# Allegro board LED_FIN.brd (continued)
## Routing (per net, layer and track width the routed paths; a pad name or vN(x,y) marks a point on that pad's centre or on a via; arc(x,y) is an arc through that point) (continued)
COL_OUT_A64: length 259.4
  TOP w0.15: D1676.1 v1(149.25,358.8) ; D2096.1 v1(149.25,330.8) ; D1436.1 v1(149.25,374.8) ; D1226.1 v1(149.25,388.8) ; D1196.1 v1(149.25,390.8) ; D1316.1 v1(149.25,382.8) ; D1166.1 v1(149.25,392.8) ; D1526.1 v1(149.25,368.8) ; D2186.1 v1(149.25,324.8) ; D1616.1 v1(149.25,362.8) ; D1346.1 v1(149.25,380.8) ; D1556.1 v1(149.25,366.8) ; D2156.1 v1(149.25,326.8) ; D1496.1 v1(149.25,370.8) ; D1256.1 v1(149.25,386.8) ; D1406.1 v1(149.25,376.8) ; D1706.1 v1(149.25,356.8) ; D1916.1 v1(149.25,342.8) ; D2066.1 v1(149.25,332.8) ; D1946.1 v1(149.25,340.8) ; D1286.1 v1(149.25,384.8) ; D2276.1 v1(149.25,318.8) ; D2036.1 v1(149.25,334.8) ; D1856.1 v1(149.25,346.8) ; D2246.1 v1(149.25,320.8) ; D1976.1 v1(149.25,338.8) ; D1766.1 v1(149.25,352.8) ; D1466.1 v1(149.25,372.8) ; D1886.1 v1(149.25,344.8) ; D1796.1 v1(149.25,350.8) ; D2126.1 v1(149.25,328.8) ; D1826.1 v1(149.25,348.8) ; v1(147.95,161.1) R56.1 ; D1586.1 v1(149.25,364.8) ; D1736.1 v1(149.25,354.8) ; D2006.1 v1(149.25,336.8) ; D1646.1 v1(149.25,360.8) ; D2216.1 v1(149.25,322.8) ; D1376.1 v1(149.25,378.8)
  BOTTOM w0.15: v1(149.25,392.8) v1(149.25,390.8) v1(149.25,388.8) v1(149.25,386.8) v1(149.25,384.8) v1(149.25,382.8) v1(149.25,380.8) v1(149.25,378.8) v1(149.25,376.8) v1(149.25,374.8) v1(149.25,372.8) v1(149.25,370.8) v1(149.25,368.8) v1(149.25,366.8) v1(149.25,364.8) v1(149.25,362.8) v1(149.25,360.8) v1(149.25,358.8) v1(149.25,356.8) v1(149.25,354.8) v1(149.25,352.8) v1(149.25,350.8) v1(149.25,348.8) v1(149.25,346.8) v1(149.25,344.8) v1(149.25,342.8) v1(149.25,340.8) v1(149.25,338.8) v1(149.25,336.8) v1(149.25,334.8) v1(149.25,332.8) v1(149.25,330.8) v1(149.25,328.8) v1(149.25,326.8) v1(149.25,324.8) v1(149.25,322.8) v1(149.25,320.8) v1(149.25,318.8) 147.95,317.5 v1(147.95,161.1)
COL_OUT_A65: length 259.4
  TOP w0.15: D2215.1 v1(147.25,322.8) ; D1165.1 v1(147.25,392.8) ; D2095.1 v1(147.25,330.8) ; D1855.1 v1(147.25,346.8) ; D2275.1 v1(147.25,318.8) ; D1975.1 v1(147.25,338.8) ; D1915.1 v1(147.25,342.8) ; D1945.1 v1(147.25,340.8) ; D1585.1 v1(147.25,364.8) ; D1735.1 v1(147.25,354.8) ; D2245.1 v1(147.25,320.8) ; D1765.1 v1(147.25,352.8) ; D1315.1 v1(147.25,382.8) ; D1645.1 v1(147.25,360.8) ; D1435.1 v1(147.25,374.8) ; D1825.1 v1(147.25,348.8) ; D1885.1 v1(147.25,344.8) ; D2125.1 v1(147.25,328.8) ; D1375.1 v1(147.25,378.8) ; D1705.1 v1(147.25,356.8) ; D1285.1 v1(147.25,384.8) ; D1555.1 v1(147.25,366.8) ; D1795.1 v1(147.25,350.8) ; D1525.1 v1(147.25,368.8) ; D1405.1 v1(147.25,376.8) ; D2185.1 v1(147.25,324.8) ; D2005.1 v1(147.25,336.8) ; D1345.1 v1(147.25,380.8) ; D1255.1 v1(147.25,386.8) ; D1465.1 v1(147.25,372.8) ; D1225.1 v1(147.25,388.8) ; D1195.1 v1(147.25,390.8) ; D1675.1 v1(147.25,358.8) ; D2065.1 v1(147.25,332.8) ; D2155.1 v1(147.25,326.8) ; D1615.1 v1(147.25,362.8) ; v1(145.95,161.1) R55.1 ; D2035.1 v1(147.25,334.8) ; D1495.1 v1(147.25,370.8)
  BOTTOM w0.15: v1(145.95,161.1) 145.95,317.5 v1(147.25,318.8) v1(147.25,320.8) v1(147.25,322.8) v1(147.25,324.8) v1(147.25,326.8) v1(147.25,328.8) v1(147.25,330.8) v1(147.25,332.8) v1(147.25,334.8) v1(147.25,336.8) v1(147.25,338.8) v1(147.25,340.8) v1(147.25,342.8) v1(147.25,344.8) v1(147.25,346.8) v1(147.25,348.8) v1(147.25,350.8) v1(147.25,352.8) v1(147.25,354.8) v1(147.25,356.8) v1(147.25,358.8) v1(147.25,360.8) v1(147.25,362.8) v1(147.25,364.8) v1(147.25,366.8) v1(147.25,368.8) v1(147.25,370.8) v1(147.25,372.8) v1(147.25,374.8) v1(147.25,376.8) v1(147.25,378.8) v1(147.25,380.8) v1(147.25,382.8) v1(147.25,384.8) v1(147.25,386.8) v1(147.25,388.8) v1(147.25,390.8) v1(147.25,392.8)
COL_OUT_A66: length 259.4
  TOP w0.15: D1554.1 v1(145.25,366.8) ; D2244.1 v1(145.25,320.8) ; D1674.1 v1(145.25,358.8) ; D1524.1 v1(145.25,368.8) ; D1374.1 v1(145.25,378.8) ; D1224.1 v1(145.25,388.8) ; D1854.1 v1(145.25,346.8) ; D1974.1 v1(145.25,338.8) ; D2004.1 v1(145.25,336.8) ; D1734.1 v1(145.25,354.8) ; D1614.1 v1(145.25,362.8) ; D1344.1 v1(145.25,380.8) ; D2154.1 v1(145.25,326.8) ; D1584.1 v1(145.25,364.8) ; D1494.1 v1(145.25,370.8) ; D2124.1 v1(145.25,328.8) ; D1794.1 v1(145.25,350.8) ; D1884.1 v1(145.25,344.8) ; D2034.1 v1(145.25,334.8) ; D1254.1 v1(145.25,386.8) ; D1764.1 v1(145.25,352.8) ; D2184.1 v1(145.25,324.8) ; D1644.1 v1(145.25,360.8) ; D2214.1 v1(145.25,322.8) ; D1314.1 v1(145.25,382.8) ; D1704.1 v1(145.25,356.8) ; D1434.1 v1(145.25,374.8) ; D1464.1 v1(145.25,372.8) ; v1(143.95,161.1) R54.1 ; D1284.1 v1(145.25,384.8) ; D1944.1 v1(145.25,340.8) ; D2094.1 v1(145.25,330.8) ; D2274.1 v1(145.25,318.8) ; D1824.1 v1(145.25,348.8) ; D1164.1 v1(145.25,392.8) ; D1194.1 v1(145.25,390.8) ; D2064.1 v1(145.25,332.8) ; D1404.1 v1(145.25,376.8) ; D1914.1 v1(145.25,342.8)
  BOTTOM w0.15: v1(143.95,161.1) 143.95,317.5 v1(145.25,318.8) v1(145.25,320.8) v1(145.25,322.8) v1(145.25,324.8) v1(145.25,326.8) v1(145.25,328.8) v1(145.25,330.8) v1(145.25,332.8) v1(145.25,334.8) v1(145.25,336.8) v1(145.25,338.8) v1(145.25,340.8) v1(145.25,342.8) v1(145.25,344.8) v1(145.25,346.8) v1(145.25,348.8) v1(145.25,350.8) v1(145.25,352.8) v1(145.25,354.8) v1(145.25,356.8) v1(145.25,358.8) v1(145.25,360.8) v1(145.25,362.8) v1(145.25,364.8) v1(145.25,366.8) v1(145.25,368.8) v1(145.25,370.8) v1(145.25,372.8) v1(145.25,374.8) v1(145.25,376.8) v1(145.25,378.8) v1(145.25,380.8) v1(145.25,382.8) v1(145.25,384.8) v1(145.25,386.8) v1(145.25,388.8) v1(145.25,390.8) v1(145.25,392.8)
COL_OUT_A67: length 259.4
  TOP w0.15: D2273.1 v1(143.25,318.8) ; D2093.1 v1(143.25,330.8) ; D1343.1 v1(143.25,380.8) ; D1883.1 v1(143.25,344.8) ; D1163.1 v1(143.25,392.8) ; D2153.1 v1(143.25,326.8) ; D1763.1 v1(143.25,352.8) ; D2033.1 v1(143.25,334.8) ; D1223.1 v1(143.25,388.8) ; D1733.1 v1(143.25,354.8) ; D1403.1 v1(143.25,376.8) ; D1793.1 v1(143.25,350.8) ; D1853.1 v1(143.25,346.8) ; D1193.1 v1(143.25,390.8) ; D1913.1 v1(143.25,342.8) ; D1373.1 v1(143.25,378.8) ; D1283.1 v1(143.25,384.8) ; D2123.1 v1(143.25,328.8) ; D1583.1 v1(143.25,364.8) ; D1253.1 v1(143.25,386.8) ; v1(141.95,161.1) R53.1 ; D2063.1 v1(143.25,332.8) ; D1433.1 v1(143.25,374.8) ; D2183.1 v1(143.25,324.8) ; D1463.1 v1(143.25,372.8) ; D2243.1 v1(143.25,320.8) ; D1823.1 v1(143.25,348.8) ; D1673.1 v1(143.25,358.8) ; D1973.1 v1(143.25,338.8) ; D1613.1 v1(143.25,362.8) ; D1553.1 v1(143.25,366.8) ; D1493.1 v1(143.25,370.8) ; D1943.1 v1(143.25,340.8) ; D1523.1 v1(143.25,368.8) ; D1643.1 v1(143.25,360.8) ; D2213.1 v1(143.25,322.8) ; D1313.1 v1(143.25,382.8) ; D2003.1 v1(143.25,336.8) ; D1703.1 v1(143.25,356.8)
  BOTTOM w0.15: v1(143.25,392.8) v1(143.25,390.8) v1(143.25,388.8) v1(143.25,386.8) v1(143.25,384.8) v1(143.25,382.8) v1(143.25,380.8) v1(143.25,378.8) v1(143.25,376.8) v1(143.25,374.8) v1(143.25,372.8) v1(143.25,370.8) v1(143.25,368.8) v1(143.25,366.8) v1(143.25,364.8) v1(143.25,362.8) v1(143.25,360.8) v1(143.25,358.8) v1(143.25,356.8) v1(143.25,354.8) v1(143.25,352.8) v1(143.25,350.8) v1(143.25,348.8) v1(143.25,346.8) v1(143.25,344.8) v1(143.25,342.8) v1(143.25,340.8) v1(143.25,338.8) v1(143.25,336.8) v1(143.25,334.8) v1(143.25,332.8) v1(143.25,330.8) v1(143.25,328.8) v1(143.25,326.8) v1(143.25,324.8) v1(143.25,322.8) v1(143.25,320.8) v1(143.25,318.8) 141.95,317.5 v1(141.95,161.1)
COL_OUT_A68: length 259.4
  TOP w0.15: D1552.1 v1(141.25,366.8) ; D1522.1 v1(141.25,368.8) ; D1372.1 v1(141.25,378.8) ; D1612.1 v1(141.25,362.8) ; D1312.1 v1(141.25,382.8) ; D1582.1 v1(141.25,364.8) ; D1342.1 v1(141.25,380.8) ; D1492.1 v1(141.25,370.8) ; D2152.1 v1(141.25,326.8) ; D1942.1 v1(141.25,340.8) ; D1432.1 v1(141.25,374.8) ; D2122.1 v1(141.25,328.8) ; D1882.1 v1(141.25,344.8) ; D2032.1 v1(141.25,334.8) ; D2272.1 v1(141.25,318.8) ; v1(139.95,161.1) R52.1 ; D2182.1 v1(141.25,324.8) ; D2092.1 v1(141.25,330.8) ; D1792.1 v1(141.25,350.8) ; D1162.1 v1(141.25,392.8) ; D1762.1 v1(141.25,352.8) ; D2002.1 v1(141.25,336.8) ; D1402.1 v1(141.25,376.8) ; D2212.1 v1(141.25,322.8) ; D1642.1 v1(141.25,360.8) ; D1192.1 v1(141.25,390.8) ; D1462.1 v1(141.25,372.8) ; D1252.1 v1(141.25,386.8) ; D2062.1 v1(141.25,332.8) ; D2242.1 v1(141.25,320.8) ; D1702.1 v1(141.25,356.8) ; D1222.1 v1(141.25,388.8) ; D1732.1 v1(141.25,354.8) ; D1282.1 v1(141.25,384.8) ; D1822.1 v1(141.25,348.8) ; D1972.1 v1(141.25,338.8) ; D1912.1 v1(141.25,342.8) ; D1672.1 v1(141.25,358.8) ; D1852.1 v1(141.25,346.8)
  BOTTOM w0.15: v1(139.95,161.1) 139.95,317.5 v1(141.25,318.8) v1(141.25,320.8) v1(141.25,322.8) v1(141.25,324.8) v1(141.25,326.8) v1(141.25,328.8) v1(141.25,330.8) v1(141.25,332.8) v1(141.25,334.8) v1(141.25,336.8) v1(141.25,338.8) v1(141.25,340.8) v1(141.25,342.8) v1(141.25,344.8) v1(141.25,346.8) v1(141.25,348.8) v1(141.25,350.8) v1(141.25,352.8) v1(141.25,354.8) v1(141.25,356.8) v1(141.25,358.8) v1(141.25,360.8) v1(141.25,362.8) v1(141.25,364.8) v1(141.25,366.8) v1(141.25,368.8) v1(141.25,370.8) v1(141.25,372.8) v1(141.25,374.8) v1(141.25,376.8) v1(141.25,378.8) v1(141.25,380.8) v1(141.25,382.8) v1(141.25,384.8) v1(141.25,386.8) v1(141.25,388.8) v1(141.25,390.8) v1(141.25,392.8)
COL_OUT_A69: length 259.4
  TOP w0.15: D1911.1 v1(139.25,342.8) ; D1461.1 v1(139.25,372.8) ; D1281.1 v1(139.25,384.8) ; v1(137.95,161.1) R51.1 ; D1371.1 v1(139.25,378.8) ; D1881.1 v1(139.25,344.8) ; D1221.1 v1(139.25,388.8) ; D2151.1 v1(139.25,326.8) ; D1761.1 v1(139.25,352.8) ; D1971.1 v1(139.25,338.8) ; D1671.1 v1(139.25,358.8) ; D2001.1 v1(139.25,336.8) ; D2211.1 v1(139.25,322.8) ; D1161.1 v1(139.25,392.8) ; D1311.1 v1(139.25,382.8) ; D2241.1 v1(139.25,320.8) ; D1851.1 v1(139.25,346.8) ; D2181.1 v1(139.25,324.8) ; D1641.1 v1(139.25,360.8) ; D1611.1 v1(139.25,362.8) ; D1551.1 v1(139.25,366.8) ; D1431.1 v1(139.25,374.8) ; D1701.1 v1(139.25,356.8) ; D1731.1 v1(139.25,354.8) ; D1941.1 v1(139.25,340.8) ; D2061.1 v1(139.25,332.8) ; D1191.1 v1(139.25,390.8) ; D2091.1 v1(139.25,330.8) ; D1521.1 v1(139.25,368.8) ; D2271.1 v1(139.25,318.8) ; D1581.1 v1(139.25,364.8) ; D1401.1 v1(139.25,376.8) ; D1491.1 v1(139.25,370.8) ; D1251.1 v1(139.25,386.8) ; D1791.1 v1(139.25,350.8) ; D1821.1 v1(139.25,348.8) ; D2121.1 v1(139.25,328.8) ; D1341.1 v1(139.25,380.8) ; D2031.1 v1(139.25,334.8)
  BOTTOM w0.15: v1(137.95,161.1) 137.95,317.5 v1(139.25,318.8) v1(139.25,320.8) v1(139.25,322.8) v1(139.25,324.8) v1(139.25,326.8) v1(139.25,328.8) v1(139.25,330.8) v1(139.25,332.8) v1(139.25,334.8) v1(139.25,336.8) v1(139.25,338.8) v1(139.25,340.8) v1(139.25,342.8) v1(139.25,344.8) v1(139.25,346.8) v1(139.25,348.8) v1(139.25,350.8) v1(139.25,352.8) v1(139.25,354.8) v1(139.25,356.8) v1(139.25,358.8) v1(139.25,360.8) v1(139.25,362.8) v1(139.25,364.8) v1(139.25,366.8) v1(139.25,368.8) v1(139.25,370.8) v1(139.25,372.8) v1(139.25,374.8) v1(139.25,376.8) v1(139.25,378.8) v1(139.25,380.8) v1(139.25,382.8) v1(139.25,384.8) v1(139.25,386.8) v1(139.25,388.8) v1(139.25,390.8) v1(139.25,392.8)
COL_OUT_A70: length 259.4
  TOP w0.15: D2000.1 v1(137.25,336.8) ; D2090.1 v1(137.25,330.8) ; D2120.1 v1(137.25,328.8) ; D1520.1 v1(137.25,368.8) ; D1790.1 v1(137.25,350.8) ; D1370.1 v1(137.25,378.8) ; D2180.1 v1(137.25,324.8) ; D1460.1 v1(137.25,372.8) ; D1550.1 v1(137.25,366.8) ; D1580.1 v1(137.25,364.8) ; D1400.1 v1(137.25,376.8) ; D1880.1 v1(137.25,344.8) ; D1730.1 v1(137.25,354.8) ; D1250.1 v1(137.25,386.8) ; D1640.1 v1(137.25,360.8) ; D1430.1 v1(137.25,374.8) ; D1310.1 v1(137.25,382.8) ; D1910.1 v1(137.25,342.8) ; D1190.1 v1(137.25,390.8) ; D1970.1 v1(137.25,338.8) ; D2060.1 v1(137.25,332.8) ; D1670.1 v1(137.25,358.8) ; D1160.1 v1(137.25,392.8) ; D1760.1 v1(137.25,352.8) ; D2150.1 v1(137.25,326.8) ; D1820.1 v1(137.25,348.8) ; D2270.1 v1(137.25,318.8) ; D1940.1 v1(137.25,340.8) ; D1340.1 v1(137.25,380.8) ; D2210.1 v1(137.25,322.8) ; D1490.1 v1(137.25,370.8) ; D1700.1 v1(137.25,356.8) ; D1220.1 v1(137.25,388.8) ; D2240.1 v1(137.25,320.8) ; D1610.1 v1(137.25,362.8) ; D1850.1 v1(137.25,346.8) ; D1280.1 v1(137.25,384.8) ; D2030.1 v1(137.25,334.8) ; v1(135.95,161.1) R50.1
  BOTTOM w0.15: v1(135.95,161.1) 135.95,317.5 v1(137.25,318.8) v1(137.25,320.8) v1(137.25,322.8) v1(137.25,324.8) v1(137.25,326.8) v1(137.25,328.8) v1(137.25,330.8) v1(137.25,332.8) v1(137.25,334.8) v1(137.25,336.8) v1(137.25,338.8) v1(137.25,340.8) v1(137.25,342.8) v1(137.25,344.8) v1(137.25,346.8) v1(137.25,348.8) v1(137.25,350.8) v1(137.25,352.8) v1(137.25,354.8) v1(137.25,356.8) v1(137.25,358.8) v1(137.25,360.8) v1(137.25,362.8) v1(137.25,364.8) v1(137.25,366.8) v1(137.25,368.8) v1(137.25,370.8) v1(137.25,372.8) v1(137.25,374.8) v1(137.25,376.8) v1(137.25,378.8) v1(137.25,380.8) v1(137.25,382.8) v1(137.25,384.8) v1(137.25,386.8) v1(137.25,388.8) v1(137.25,390.8) v1(137.25,392.8)
COL_OUT_A71: length 259.4
  TOP w0.15: D1969.1 v1(135.25,338.8) ; D1639.1 v1(135.25,360.8) ; D1159.1 v1(135.25,392.8) ; D1669.1 v1(135.25,358.8) ; D1909.1 v1(135.25,342.8) ; D1399.1 v1(135.25,376.8) ; D1879.1 v1(135.25,344.8) ; D1189.1 v1(135.25,390.8) ; D1339.1 v1(135.25,380.8) ; D1999.1 v1(135.25,336.8) ; v1(133.95,161.1) R49.1 ; D2179.1 v1(135.25,324.8) ; D1489.1 v1(135.25,370.8) ; D1249.1 v1(135.25,386.8) ; D1849.1 v1(135.25,346.8) ; D1549.1 v1(135.25,366.8) ; D2119.1 v1(135.25,328.8) ; D1789.1 v1(135.25,350.8) ; D1609.1 v1(135.25,362.8) ; D1459.1 v1(135.25,372.8) ; D2089.1 v1(135.25,330.8) ; D1219.1 v1(135.25,388.8) ; D2239.1 v1(135.25,320.8) ; D1369.1 v1(135.25,378.8) ; D1939.1 v1(135.25,340.8) ; D1759.1 v1(135.25,352.8) ; D1729.1 v1(135.25,354.8) ; D2029.1 v1(135.25,334.8) ; D2269.1 v1(135.25,318.8) ; D1279.1 v1(135.25,384.8) ; D1699.1 v1(135.25,356.8) ; D1519.1 v1(135.25,368.8) ; D2209.1 v1(135.25,322.8) ; D1309.1 v1(135.25,382.8) ; D2059.1 v1(135.25,332.8) ; D1579.1 v1(135.25,364.8) ; D2149.1 v1(135.25,326.8) ; D1819.1 v1(135.25,348.8) ; D1429.1 v1(135.25,374.8)
  BOTTOM w0.15: v1(135.25,392.8) v1(135.25,390.8) v1(135.25,388.8) v1(135.25,386.8) v1(135.25,384.8) v1(135.25,382.8) v1(135.25,380.8) v1(135.25,378.8) v1(135.25,376.8) v1(135.25,374.8) v1(135.25,372.8) v1(135.25,370.8) v1(135.25,368.8) v1(135.25,366.8) v1(135.25,364.8) v1(135.25,362.8) v1(135.25,360.8) v1(135.25,358.8) v1(135.25,356.8) v1(135.25,354.8) v1(135.25,352.8) v1(135.25,350.8) v1(135.25,348.8) v1(135.25,346.8) v1(135.25,344.8) v1(135.25,342.8) v1(135.25,340.8) v1(135.25,338.8) v1(135.25,336.8) v1(135.25,334.8) v1(135.25,332.8) v1(135.25,330.8) v1(135.25,328.8) v1(135.25,326.8) v1(135.25,324.8) v1(135.25,322.8) v1(135.25,320.8) v1(135.25,318.8) 133.95,317.5 v1(133.95,161.1)
COL_OUT_A72: length 259.4
  TOP w0.15: D2148.1 v1(133.25,326.8) ; D1698.1 v1(133.25,356.8) ; D1548.1 v1(133.25,366.8) ; D1818.1 v1(133.25,348.8) ; D1188.1 v1(133.25,390.8) ; D1608.1 v1(133.25,362.8) ; D2238.1 v1(133.25,320.8) ; D2208.1 v1(133.25,322.8) ; D1278.1 v1(133.25,384.8) ; D2058.1 v1(133.25,332.8) ; D1728.1 v1(133.25,354.8) ; D1788.1 v1(133.25,350.8) ; D1938.1 v1(133.25,340.8) ; D1158.1 v1(133.25,392.8) ; D1878.1 v1(133.25,344.8) ; D1638.1 v1(133.25,360.8) ; D1848.1 v1(133.25,346.8) ; D1908.1 v1(133.25,342.8) ; D1428.1 v1(133.25,374.8) ; D1578.1 v1(133.25,364.8) ; D1458.1 v1(133.25,372.8) ; D1518.1 v1(133.25,368.8) ; D1308.1 v1(133.25,382.8) ; D1368.1 v1(133.25,378.8) ; D1248.1 v1(133.25,386.8) ; D1668.1 v1(133.25,358.8) ; D2268.1 v1(133.25,318.8) ; D1398.1 v1(133.25,376.8) ; v1(131.95,161.1) R48.1 ; D2088.1 v1(133.25,330.8) ; D2178.1 v1(133.25,324.8) ; D2028.1 v1(133.25,334.8) ; D1218.1 v1(133.25,388.8) ; D1488.1 v1(133.25,370.8) ; D1998.1 v1(133.25,336.8) ; D1338.1 v1(133.25,380.8) ; D2118.1 v1(133.25,328.8) ; D1968.1 v1(133.25,338.8) ; D1758.1 v1(133.25,352.8)
  BOTTOM w0.15: v1(131.95,161.1) 131.95,317.5 v1(133.25,318.8) v1(133.25,320.8) v1(133.25,322.8) v1(133.25,324.8) v1(133.25,326.8) v1(133.25,328.8) v1(133.25,330.8) v1(133.25,332.8) v1(133.25,334.8) v1(133.25,336.8) v1(133.25,338.8) v1(133.25,340.8) v1(133.25,342.8) v1(133.25,344.8) v1(133.25,346.8) v1(133.25,348.8) v1(133.25,350.8) v1(133.25,352.8) v1(133.25,354.8) v1(133.25,356.8) v1(133.25,358.8) v1(133.25,360.8) v1(133.25,362.8) v1(133.25,364.8) v1(133.25,366.8) v1(133.25,368.8) v1(133.25,370.8) v1(133.25,372.8) v1(133.25,374.8) v1(133.25,376.8) v1(133.25,378.8) v1(133.25,380.8) v1(133.25,382.8) v1(133.25,384.8) v1(133.25,386.8) v1(133.25,388.8) v1(133.25,390.8) v1(133.25,392.8)
COL_OUT_A73: length 259.4
  TOP w0.15: D1997.1 v1(131.25,336.8) ; D1337.1 v1(131.25,380.8) ; D2027.1 v1(131.25,334.8) ; v1(129.95,161.1) R47.1 ; D2207.1 v1(131.25,322.8) ; D1367.1 v1(131.25,378.8) ; D2237.1 v1(131.25,320.8) ; D1937.1 v1(131.25,340.8) ; D1457.1 v1(131.25,372.8) ; D2267.1 v1(131.25,318.8) ; D1547.1 v1(131.25,366.8) ; D2087.1 v1(131.25,330.8) ; D1877.1 v1(131.25,344.8) ; D1967.1 v1(131.25,338.8) ; D1907.1 v1(131.25,342.8) ; D2177.1 v1(131.25,324.8) ; D1397.1 v1(131.25,376.8) ; D1667.1 v1(131.25,358.8) ; D1277.1 v1(131.25,384.8) ; D1187.1 v1(131.25,390.8) ; D2057.1 v1(131.25,332.8) ; D1307.1 v1(131.25,382.8) ; D1577.1 v1(131.25,364.8) ; D1607.1 v1(131.25,362.8) ; D1217.1 v1(131.25,388.8) ; D1637.1 v1(131.25,360.8) ; D1517.1 v1(131.25,368.8) ; D1427.1 v1(131.25,374.8) ; D1727.1 v1(131.25,354.8) ; D1757.1 v1(131.25,352.8) ; D1697.1 v1(131.25,356.8) ; D1817.1 v1(131.25,348.8) ; D1487.1 v1(131.25,370.8) ; D1787.1 v1(131.25,350.8) ; D1247.1 v1(131.25,386.8) ; D1847.1 v1(131.25,346.8) ; D1157.1 v1(131.25,392.8) ; D2117.1 v1(131.25,328.8) ; D2147.1 v1(131.25,326.8)
  BOTTOM w0.15: v1(129.95,161.1) 129.95,317.5 v1(131.25,318.8) v1(131.25,320.8) v1(131.25,322.8) v1(131.25,324.8) v1(131.25,326.8) v1(131.25,328.8) v1(131.25,330.8) v1(131.25,332.8) v1(131.25,334.8) v1(131.25,336.8) v1(131.25,338.8) v1(131.25,340.8) v1(131.25,342.8) v1(131.25,344.8) v1(131.25,346.8) v1(131.25,348.8) v1(131.25,350.8) v1(131.25,352.8) v1(131.25,354.8) v1(131.25,356.8) v1(131.25,358.8) v1(131.25,360.8) v1(131.25,362.8) v1(131.25,364.8) v1(131.25,366.8) v1(131.25,368.8) v1(131.25,370.8) v1(131.25,372.8) v1(131.25,374.8) v1(131.25,376.8) v1(131.25,378.8) v1(131.25,380.8) v1(131.25,382.8) v1(131.25,384.8) v1(131.25,386.8) v1(131.25,388.8) v1(131.25,390.8) v1(131.25,392.8)
COL_OUT_A74: length 259.4
  TOP w0.15: D1876.1 v1(129.25,344.8) ; D1516.1 v1(129.25,368.8) ; D2116.1 v1(129.25,328.8) ; D1366.1 v1(129.25,378.8) ; D1786.1 v1(129.25,350.8) ; D2236.1 v1(129.25,320.8) ; D1456.1 v1(129.25,372.8) ; D2086.1 v1(129.25,330.8) ; D2176.1 v1(129.25,324.8) ; D2146.1 v1(129.25,326.8) ; D1186.1 v1(129.25,390.8) ; D1696.1 v1(129.25,356.8) ; v1(127.95,161.1) R46.1 ; D1606.1 v1(129.25,362.8) ; D2206.1 v1(129.25,322.8) ; D1396.1 v1(129.25,376.8) ; D2266.1 v1(129.25,318.8) ; D1336.1 v1(129.25,380.8) ; D1576.1 v1(129.25,364.8) ; D1306.1 v1(129.25,382.8) ; D1156.1 v1(129.25,392.8) ; D2026.1 v1(129.25,334.8) ; D1246.1 v1(129.25,386.8) ; D1486.1 v1(129.25,370.8) ; D1276.1 v1(129.25,384.8) ; D1846.1 v1(129.25,346.8) ; D1906.1 v1(129.25,342.8) ; D1666.1 v1(129.25,358.8) ; D1426.1 v1(129.25,374.8) ; D2056.1 v1(129.25,332.8) ; D1756.1 v1(129.25,352.8) ; D1816.1 v1(129.25,348.8) ; D1216.1 v1(129.25,388.8) ; D1966.1 v1(129.25,338.8) ; D1546.1 v1(129.25,366.8) ; D1636.1 v1(129.25,360.8) ; D1936.1 v1(129.25,340.8) ; D1996.1 v1(129.25,336.8) ; D1726.1 v1(129.25,354.8)
  BOTTOM w0.15: v1(127.95,161.1) 127.95,317.5 v1(129.25,318.8) v1(129.25,320.8) v1(129.25,322.8) v1(129.25,324.8) v1(129.25,326.8) v1(129.25,328.8) v1(129.25,330.8) v1(129.25,332.8) v1(129.25,334.8) v1(129.25,336.8) v1(129.25,338.8) v1(129.25,340.8) v1(129.25,342.8) v1(129.25,344.8) v1(129.25,346.8) v1(129.25,348.8) v1(129.25,350.8) v1(129.25,352.8) v1(129.25,354.8) v1(129.25,356.8) v1(129.25,358.8) v1(129.25,360.8) v1(129.25,362.8) v1(129.25,364.8) v1(129.25,366.8) v1(129.25,368.8) v1(129.25,370.8) v1(129.25,372.8) v1(129.25,374.8) v1(129.25,376.8) v1(129.25,378.8) v1(129.25,380.8) v1(129.25,382.8) v1(129.25,384.8) v1(129.25,386.8) v1(129.25,388.8) v1(129.25,390.8) v1(129.25,392.8)
COL_OUT_A75: length 259.4
  TOP w0.15: D1155.1 v1(127.25,392.8) ; D1545.1 v1(127.25,366.8) ; D1665.1 v1(127.25,358.8) ; D2145.1 v1(127.25,326.8) ; D1995.1 v1(127.25,336.8) ; D1305.1 v1(127.25,382.8) ; D2205.1 v1(127.25,322.8) ; D1755.1 v1(127.25,352.8) ; D1905.1 v1(127.25,342.8) ; D1335.1 v1(127.25,380.8) ; D1785.1 v1(127.25,350.8) ; D1365.1 v1(127.25,378.8) ; D2025.1 v1(127.25,334.8) ; D1575.1 v1(127.25,364.8) ; D1815.1 v1(127.25,348.8) ; D2175.1 v1(127.25,324.8) ; D1455.1 v1(127.25,372.8) ; D2235.1 v1(127.25,320.8) ; D1395.1 v1(127.25,376.8) ; D2265.1 v1(127.25,318.8) ; D1515.1 v1(127.25,368.8) ; D1215.1 v1(127.25,388.8) ; D1725.1 v1(127.25,354.8) ; D1605.1 v1(127.25,362.8) ; v1(125.95,161.1) R45.1 ; D2115.1 v1(127.25,328.8) ; D1425.1 v1(127.25,374.8) ; D2085.1 v1(127.25,330.8) ; D1635.1 v1(127.25,360.8) ; D1185.1 v1(127.25,390.8) ; D1275.1 v1(127.25,384.8) ; D2055.1 v1(127.25,332.8) ; D1245.1 v1(127.25,386.8) ; D1875.1 v1(127.25,344.8) ; D1845.1 v1(127.25,346.8) ; D1695.1 v1(127.25,356.8) ; D1935.1 v1(127.25,340.8) ; D1485.1 v1(127.25,370.8) ; D1965.1 v1(127.25,338.8)
  BOTTOM w0.15: v1(127.25,392.8) v1(127.25,390.8) v1(127.25,388.8) v1(127.25,386.8) v1(127.25,384.8) v1(127.25,382.8) v1(127.25,380.8) v1(127.25,378.8) v1(127.25,376.8) v1(127.25,374.8) v1(127.25,372.8) v1(127.25,370.8) v1(127.25,368.8) v1(127.25,366.8) v1(127.25,364.8) v1(127.25,362.8) v1(127.25,360.8) v1(127.25,358.8) v1(127.25,356.8) v1(127.25,354.8) v1(127.25,352.8) v1(127.25,350.8) v1(127.25,348.8) v1(127.25,346.8) v1(127.25,344.8) v1(127.25,342.8) v1(127.25,340.8) v1(127.25,338.8) v1(127.25,336.8) v1(127.25,334.8) v1(127.25,332.8) v1(127.25,330.8) v1(127.25,328.8) v1(127.25,326.8) v1(127.25,324.8) v1(127.25,322.8) v1(127.25,320.8) v1(127.25,318.8) 125.95,317.5 v1(125.95,161.1)
COL_OUT_A76: length 259.4
  TOP w0.15: D2204.1 v1(125.25,322.8) ; D1784.1 v1(125.25,350.8) ; D1814.1 v1(125.25,348.8) ; D1184.1 v1(125.25,390.8) ; D1964.1 v1(125.25,338.8) ; D1994.1 v1(125.25,336.8) ; D1904.1 v1(125.25,342.8) ; D1544.1 v1(125.25,366.8) ; D1364.1 v1(125.25,378.8) ; D1604.1 v1(125.25,362.8) ; D1484.1 v1(125.25,370.8) ; D1844.1 v1(125.25,346.8) ; D1634.1 v1(125.25,360.8) ; D2024.1 v1(125.25,334.8) ; D2144.1 v1(125.25,326.8) ; D2054.1 v1(125.25,332.8) ; D1424.1 v1(125.25,374.8) ; D2084.1 v1(125.25,330.8) ; D2174.1 v1(125.25,324.8) ; D1244.1 v1(125.25,386.8) ; D1664.1 v1(125.25,358.8) ; D1304.1 v1(125.25,382.8) ; D1694.1 v1(125.25,356.8) ; D1154.1 v1(125.25,392.8) ; D1514.1 v1(125.25,368.8) ; D2234.1 v1(125.25,320.8) ; D1454.1 v1(125.25,372.8) ; v1(123.95,161.1) R44.1 ; D1334.1 v1(125.25,380.8) ; D1214.1 v1(125.25,388.8) ; D2264.1 v1(125.25,318.8) ; D1754.1 v1(125.25,352.8) ; D1874.1 v1(125.25,344.8) ; D1574.1 v1(125.25,364.8) ; D1394.1 v1(125.25,376.8) ; D1274.1 v1(125.25,384.8) ; D1934.1 v1(125.25,340.8) ; D2114.1 v1(125.25,328.8) ; D1724.1 v1(125.25,354.8)
  BOTTOM w0.15: v1(125.25,392.8) v1(125.25,390.8) v1(125.25,388.8) v1(125.25,386.8) v1(125.25,384.8) v1(125.25,382.8) v1(125.25,380.8) v1(125.25,378.8) v1(125.25,376.8) v1(125.25,374.8) v1(125.25,372.8) v1(125.25,370.8) v1(125.25,368.8) v1(125.25,366.8) v1(125.25,364.8) v1(125.25,362.8) v1(125.25,360.8) v1(125.25,358.8) v1(125.25,356.8) v1(125.25,354.8) v1(125.25,352.8) v1(125.25,350.8) v1(125.25,348.8) v1(125.25,346.8) v1(125.25,344.8) v1(125.25,342.8) v1(125.25,340.8) v1(125.25,338.8) v1(125.25,336.8) v1(125.25,334.8) v1(125.25,332.8) v1(125.25,330.8) v1(125.25,328.8) v1(125.25,326.8) v1(125.25,324.8) v1(125.25,322.8) v1(125.25,320.8) v1(125.25,318.8) 123.95,317.5 v1(123.95,161.1)
COL_OUT_A77: length 259.4
  TOP w0.15: D1573.1 v1(123.25,364.8) ; D2113.1 v1(123.25,328.8) ; D1543.1 v1(123.25,366.8) ; D1663.1 v1(123.25,358.8) ; D1153.1 v1(123.25,392.8) ; D2083.1 v1(123.25,330.8) ; D1213.1 v1(123.25,388.8) ; D1933.1 v1(123.25,340.8) ; D1273.1 v1(123.25,384.8) ; D1813.1 v1(123.25,348.8) ; D1333.1 v1(123.25,380.8) ; D1303.1 v1(123.25,382.8) ; D1183.1 v1(123.25,390.8) ; v1(121.95,161.1) R43.1 ; D2263.1 v1(123.25,318.8) ; D1243.1 v1(123.25,386.8) ; D1963.1 v1(123.25,338.8) ; D1513.1 v1(123.25,368.8) ; D1903.1 v1(123.25,342.8) ; D2203.1 v1(123.25,322.8) ; D1723.1 v1(123.25,354.8) ; D2143.1 v1(123.25,326.8) ; D2173.1 v1(123.25,324.8) ; D1453.1 v1(123.25,372.8) ; D1603.1 v1(123.25,362.8) ; D2233.1 v1(123.25,320.8) ; D1993.1 v1(123.25,336.8) ; D1873.1 v1(123.25,344.8) ; D1363.1 v1(123.25,378.8) ; D1753.1 v1(123.25,352.8) ; D2023.1 v1(123.25,334.8) ; D1483.1 v1(123.25,370.8) ; D1783.1 v1(123.25,350.8) ; D1393.1 v1(123.25,376.8) ; D1423.1 v1(123.25,374.8) ; D2053.1 v1(123.25,332.8) ; D1693.1 v1(123.25,356.8) ; D1633.1 v1(123.25,360.8) ; D1843.1 v1(123.25,346.8)
  BOTTOM w0.15: v1(123.25,392.8) v1(123.25,390.8) v1(123.25,388.8) v1(123.25,386.8) v1(123.25,384.8) v1(123.25,382.8) v1(123.25,380.8) v1(123.25,378.8) v1(123.25,376.8) v1(123.25,374.8) v1(123.25,372.8) v1(123.25,370.8) v1(123.25,368.8) v1(123.25,366.8) v1(123.25,364.8) v1(123.25,362.8) v1(123.25,360.8) v1(123.25,358.8) v1(123.25,356.8) v1(123.25,354.8) v1(123.25,352.8) v1(123.25,350.8) v1(123.25,348.8) v1(123.25,346.8) v1(123.25,344.8) v1(123.25,342.8) v1(123.25,340.8) v1(123.25,338.8) v1(123.25,336.8) v1(123.25,334.8) v1(123.25,332.8) v1(123.25,330.8) v1(123.25,328.8) v1(123.25,326.8) v1(123.25,324.8) v1(123.25,322.8) v1(123.25,320.8) v1(123.25,318.8) 121.95,317.5 v1(121.95,161.1)
COL_OUT_A78: length 259.4
  TOP w0.15: D1662.1 v1(121.25,358.8) ; D2232.1 v1(121.25,320.8) ; D1932.1 v1(121.25,340.8) ; D1902.1 v1(121.25,342.8) ; D2022.1 v1(121.25,334.8) ; D1992.1 v1(121.25,336.8) ; D1872.1 v1(121.25,344.8) ; D1512.1 v1(121.25,368.8) ; D1182.1 v1(121.25,390.8) ; D1962.1 v1(121.25,338.8) ; D1272.1 v1(121.25,384.8) ; D1842.1 v1(121.25,346.8) ; D1782.1 v1(121.25,350.8) ; D1542.1 v1(121.25,366.8) ; D1722.1 v1(121.25,354.8) ; D1632.1 v1(121.25,360.8) ; D1152.1 v1(121.25,392.8) ; D2112.1 v1(121.25,328.8) ; D1212.1 v1(121.25,388.8) ; D2262.1 v1(121.25,318.8) ; D2142.1 v1(121.25,326.8) ; D1332.1 v1(121.25,380.8) ; D1452.1 v1(121.25,372.8) ; D1692.1 v1(121.25,356.8) ; D1482.1 v1(121.25,370.8) ; D1572.1 v1(121.25,364.8) ; D1602.1 v1(121.25,362.8) ; D1812.1 v1(121.25,348.8) ; v1(119.95,161.1) R42.1 ; D1422.1 v1(121.25,374.8) ; D1242.1 v1(121.25,386.8) ; D1752.1 v1(121.25,352.8) ; D1302.1 v1(121.25,382.8) ; D2202.1 v1(121.25,322.8) ; D2052.1 v1(121.25,332.8) ; D2082.1 v1(121.25,330.8) ; D1362.1 v1(121.25,378.8) ; D1392.1 v1(121.25,376.8) ; D2172.1 v1(121.25,324.8)